# Altium PCB OldBoard.PcbDoc (part 1 of 3) (continued)
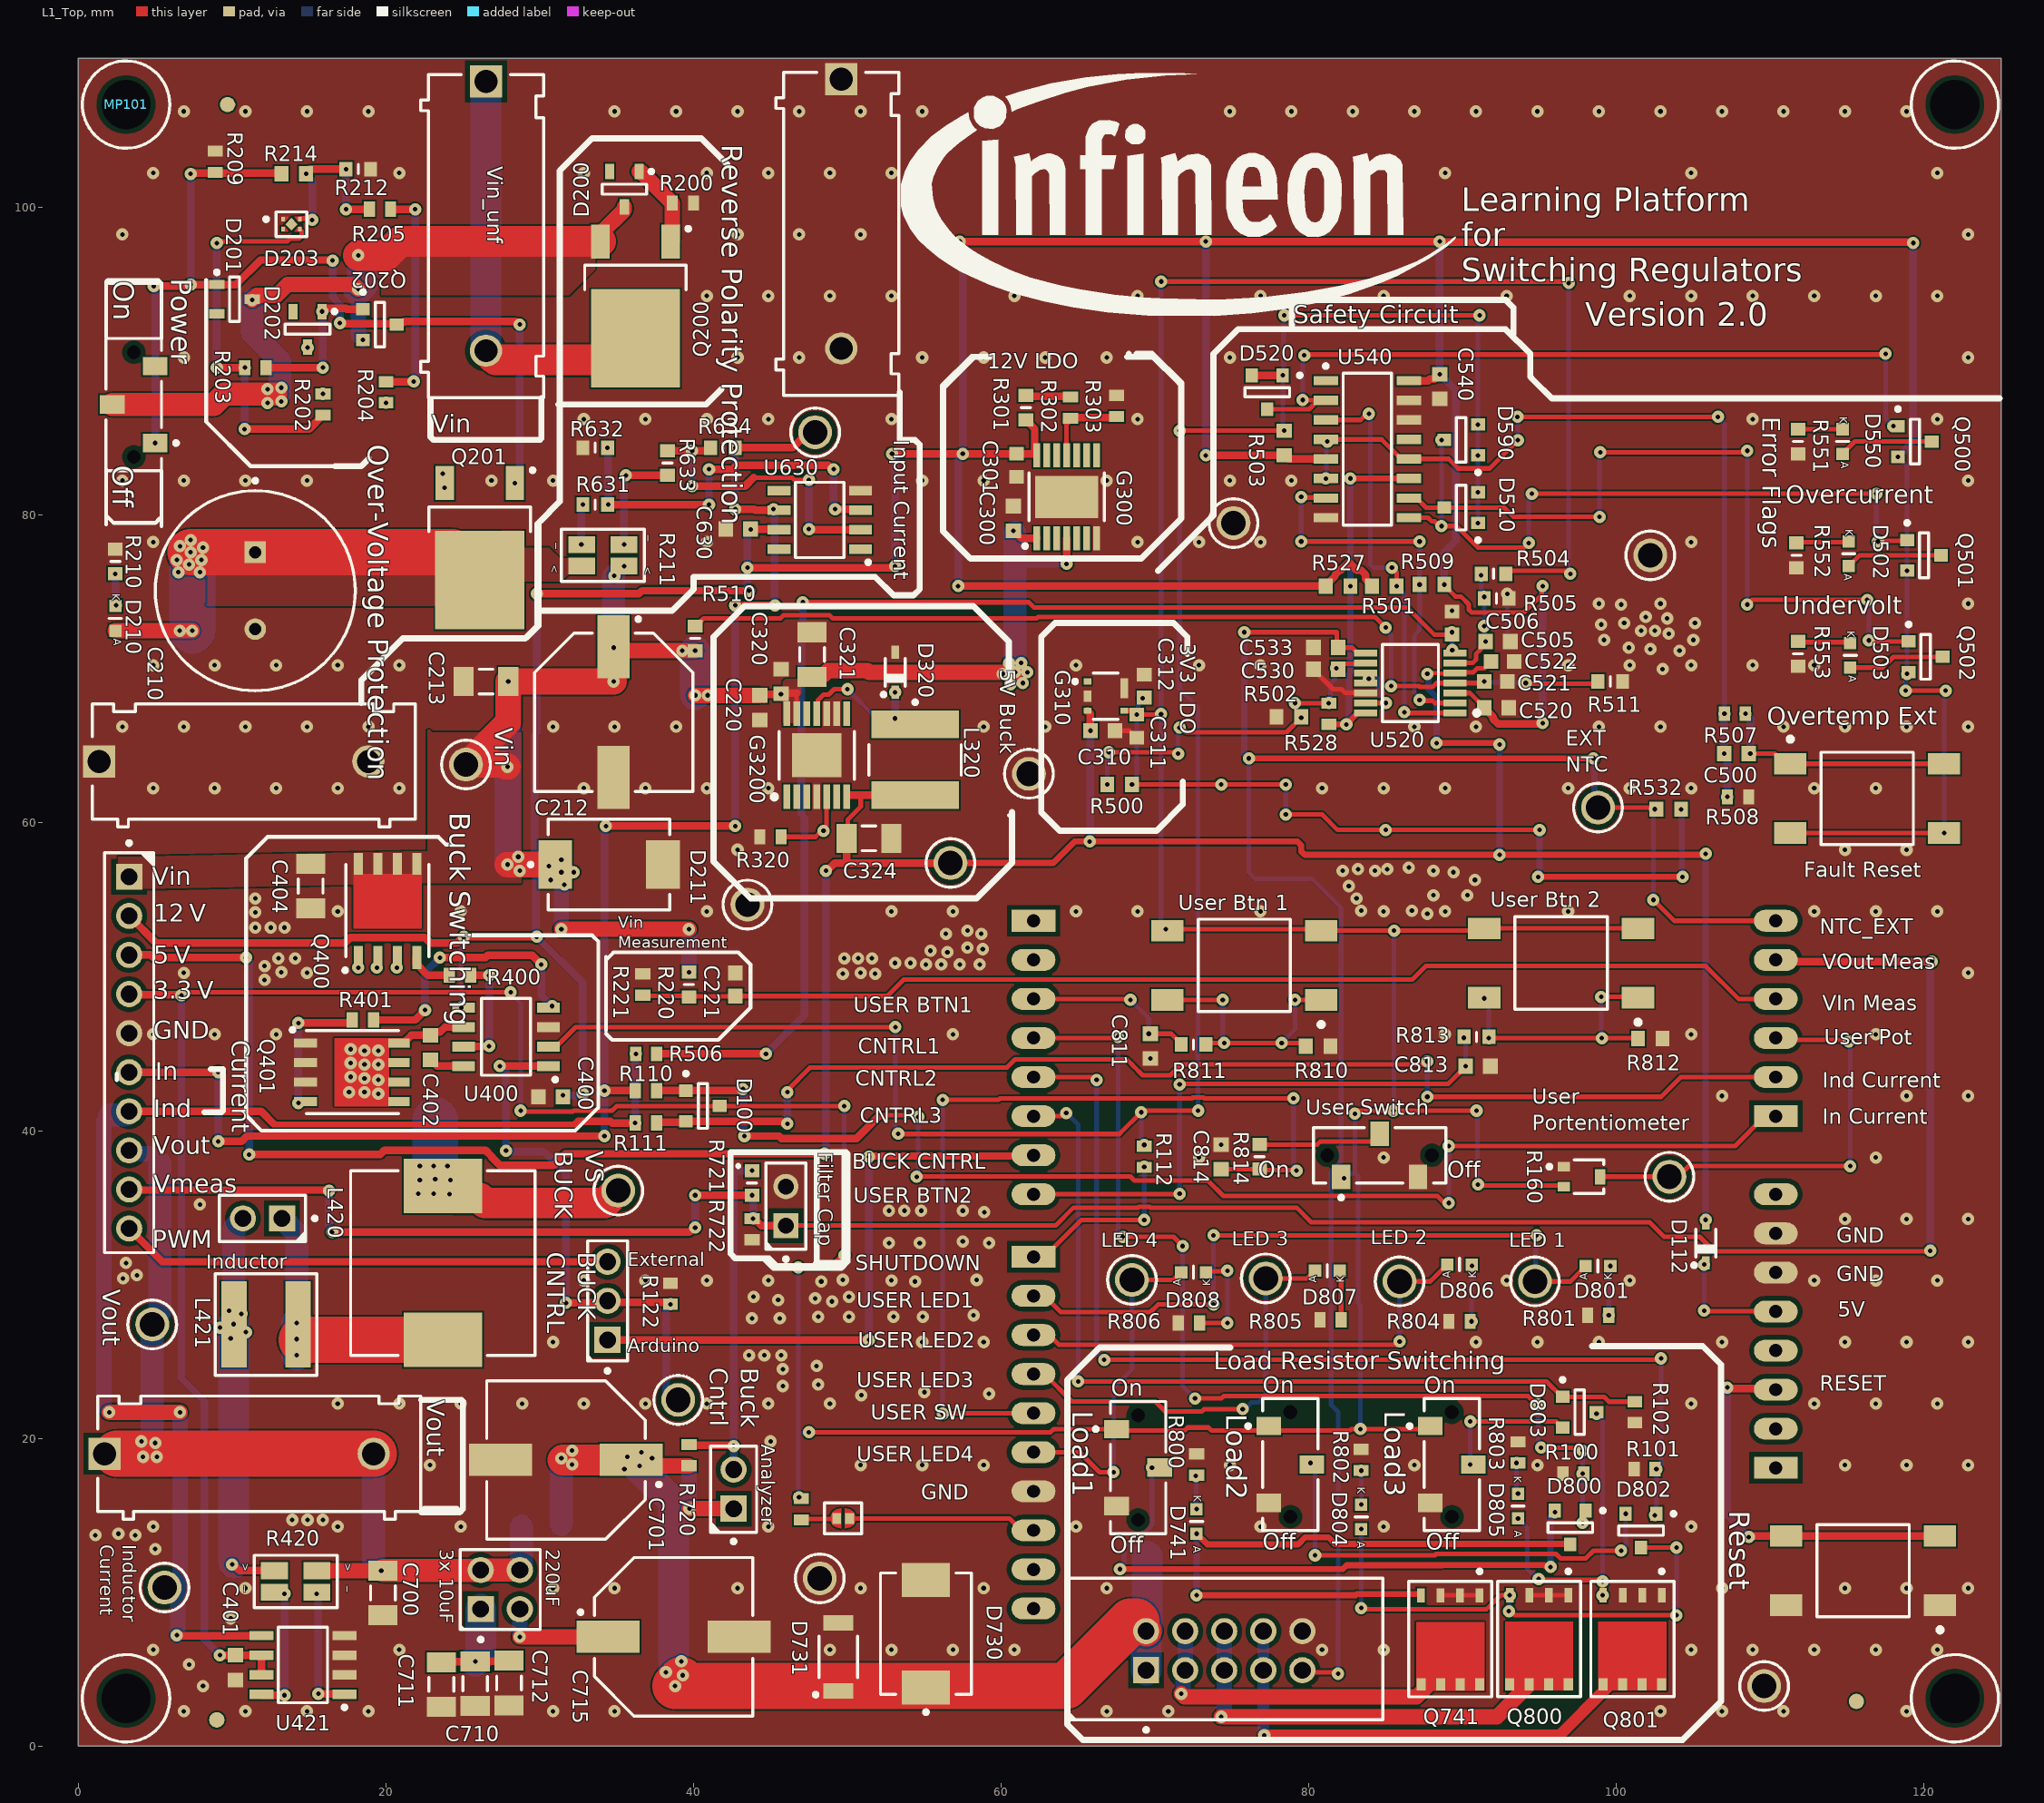
[diagram p0: L1_Top view]
## Classes and differential pairs
component class U_User: C811 C813 C814 D741 D800 D801 D802 D803 D804 D805 D806 D807 D808 Q741 Q800 Q801 R800 R801 R802 R803 R804 R805 R806 R810 R811 R812 R813 R814 S800 S801 S802 S810 S812 S814 X801 X805 X806 X808
component class U_Safety: C500 C505 C506 C520 C521 C522 C530 C533 C540 D502 D503 D510 D520 D550 D590 Q500 Q501 Q502 R500 R501 R502 R503 R504 R505 R506 R507 R508 R509 R510 R511 R527 R528 R532 R551 R552 R553 S560 TP532 U520 U540
component class U_PowerSupply: C300 C301 C310 C311 C312 C320 C321 C324 D320 G300 G310 G3200 L320 R301 R302 R303 R320 TP320
component class U_PowerStage: C400 C401 C402 C404 C700 C701 C710 C711 C712 C715 D730 D731 JP421 JP710 L420 L421 Q401 R400 R401 R420 R720 R721 R722 TP400 TP401 TP431 TP600 U400 U421 X400 X720
component class U_Input: C210 C212 C213 C220 C221 C630 D200 D201 D202 D203 D210 D211 Q200 Q201 Q202 R200 R202 R203 R204 R205 R209 R210 R211 R212 R214 R220 R221 R631 R632 R633 R634 S200 TP211 TP630 U630
component class 02_Top_Level: D100 D112 E100 E101 E102 JP122 MP100 MP101 MP102 MP103 R100 R101 R102 R110 R111 R112 R122 R170 S110 TP100 TP101 TP102 TP103 TP104 TP105 TP160 X101 X102 X103 X105 X110 X140 X150

## Components (designator, comment, footprint, x,y, rotation, side; value= is the part's Value field where it differs from the comment)
C210 "1mF" CAPPRD500W60D1300H2700B 11.5,75.1 r270 top
C212 "220uF" CAPAE1030X1050N-3 34.8,67.2 r270 top
C213 "10uF" CAPC3216X190N-1 26.5,69.2 r0 top
C220 "100nF" CAPC1608X90N-2 44.3,67.5 r270 top
C221 "1nF" CAPC1608X87N-1 42.7,49.5 r270 top
C300 "100nF" CAPC1608X90N-2 60.8,79.8 r270 top
C301 "2.2uF" CAPC1608X90N-3 61,83.25 r90 top
C310 "100nF" CAPC1608X90N-2 66.6,66 r180 top
C311 "2.2uF" CAPC1608X90N-3 68.8,66.3 r90 top
C312 "2.2uF" CAPC1608X90N-3 69.3,68.9 r270 top
C320 "100nF" CAPC1608X90N-2 45.7,69.2 r270 top
C321 "10uF" CAPC3216X190N-1 47.7,70.95 r270 top
C324 "10uF" CAPC3216X190N-1 51.4,59 r180 top
C400 "100nF" CAPC1608X90N-2 30.7,42.2 r0 top
C401 "100nF" CAPC1608X90N-2 10.2,5.1 r90 top
C402 "100nF" CAPC1608X90N-2 22.9,45.4 r270 top
C404 "10uF" CAPC3216X190N-1 15.1,55.9 r90 top
C500 "100nF" CAPC1608X90N-2 107.8,64.5 r180 top
C505 "100nF" CAPC1608X90N-2 92.3,71.8 r180 top
C506 "2.2uF" CAPC1608X90N-3 89.3,73 r270 top
C520 "100nF" CAPC1608X90N-2 92.2,67.5 r0 top
C521 "1nF" CAPC1608X87N-1 92.15,69.2 r180 top
C522 "1nF" CAPC1608X87N-1 92.6,70.5 r180 top
C530 "100nF" CAPC1608X90N-2 81.1,70 r0 top
C533 "100nF" CAPC1608X90N-2 81.1,71.4 r0 top
C540 "100nF" CAPC1608X90N-2 88.5,88.375 r90 top
C630 "100nF" CAPC1608X90N-2 42.9,79.1 r0 top
C700 "10uF" CAPC3216X190N-1 19.8,9.95 r90 top
C701 "220uF" CAPAE1030X1050N-3 31.7,18.6 r180 top
C710 "10uF" CAPC3216X190N-1 25.8,4.05 r90 top
C711 "10uF" CAPC3216X190N-1 23.6,4 r90 top
C712 "10uF" CAPC3216X190N-1 28,4.1 r90 top
C715 "220uF" CAPAE1030X1050N-3 38.7,7.1 r0 top
C811 "100nF" CAPC1608X90N-2 69.7,45.5 r90 top
C813 "100nF" CAPC1608X90N-2 91,44.2 r180 top
C814 "100nF" CAPC1608X90N-2 74.3,38.3 r270 top
D100 "BAT54-05" SOT95P240X110-3N-1-V 40.6,41.6 r0 top
D112 "BAS3010A-03W" SOD2513X110N 105.8,32.7 r90 top
D200 "12V" SOT95P230X110-3N 35.5,101.2 r270 top
D201 "12V" SOT95P230X110-3N 10.15,94.05 r0 top
D202 "12V" SOT95P230X110-3N 14.9,92.1 r270 top
D203 "ATL431LIAQDQNR" TI-SMD-X2SON-V 13.855,98.925 r0 top
D210 "Red" LEDSC160X80X80-2N-1 2.4,73.3 r270 top
D211 "SMDJ20A" DIOM7959X262N 34.5,57.3 r0 top
D320 "BAS3010A-03W" SOD2513X110N 53.1,69.8 r90 top
D502 "Red" LEDSC160X80X80-2N-1 115.1,77.5 r270 top
D503 "Red" LEDSC160X80X80-2N-1 115.2,70.9 r270 top
D510 "BAT54-05" SOT95P240X110-3N-1-V 89.9,80.5 r180 top
D520 "BAT54-05" SOT95P240X110-3N-1-V 77.3,88 r270 top
D550 "Red" LEDSC160X80X80-2N-1 114.7,84.8 r270 top
D590 "BAT54-05" SOT95P240X110-3N-1-V 89.9,84.9 r180 top
D730 "SMC5K40A-M3/I" DIOM7959X262N 55.1,7.3 r90 top
D731 "PMEG6030ETPX" SODFL4725X110N 49.4,5.8 r90 top
D741 "Red" LEDSC160X80X80-2N-1 72.7,14.6 r270 top
D800 "BAT54-05" SOT95P240X110-3N-1-V 97,14.2 r270 top
D801 "Red" LEDSC160X80X80-2N-1 98.8,31.2 r180 top
D802 "BAT54-05" SOT95P240X110-3N-1-V 101.6,14 r270 top
D803 "BAT54-05" SOT95P240X110-3N-1-V 97.6,21.7 r0 top
D804 "Red" LEDSC160X80X80-2N-1 83.4,14.9 r270 top
D805 "Red" LEDSC160X80X80-2N-1 93.6,15.6 r270 top
D806 "Red" LEDSC160X80X80-2N-1 89.8,31.3 r180 top
D807 "Red" LEDSC160X80X80-2N-1 81.2,30.9 r180 top
D808 "Red" LEDSC160X80X80-2N-1 72.5,30.8 r180 top
E100 "" fiducial 9,1.7 r270 top
E101 "" fiducial 115.6,2.9 r0 top
E102 "" fiducial 9.7,106.7 r180 top
G300 "TLT807B0EPV" SOP65P600X115-15N 64.25,81.2 r90 top
G310 "TLE4295G V33" IFX-PG-SCT595-5-2 66.8,68.25 r0 top
G3200 "TLF50211EL" SOP65P600X170-15N 48,64.4 r90 top
JP122 "61300311121" CON-M-THT-61300311121 34.4,28.94 r90 top
JP421 "61300211121" CON-M-THT-61300211121 11.97,34.3 r180 top
JP710 "61300421121" CON-M-THT-61300421121 27.43,10.17 r90 top
L320 "22uH" IND-SMD-74404064220 54.4,64.1 r270 top
L420 "27uH" INDM120120X1000N 23.7,31.4 r270 top
L421 "15uH" IND-SMD-SRP6060FA 12.2,27.4 r180 top
MP100 "0082 3 16" "SCREW_0082 3 16_NPTH" 122,106.7 r180 top
MP101 "0082 3 16" "SCREW_0082 3 16_NPTH" 3.1,106.7 r0 top
MP102 "0082 3 16" "SCREW_0082 3 16_NPTH" 3.1,3.1 r0 top
MP103 "0082 3 16" "SCREW_0082 3 16_NPTH" 122,3.1 r0 top
Q200 "IPD650P06NM" TO228P998X250-3N-V2 36.22,94.65 r270 top
Q201 "IPD650P06NM" TO228P998X250-3N-V2 26.1,78.95 r270 top
Q202 "ISS17EP06LM" SOT95P240X110-3N-1-V 19.6,92.4 r0 top
Q400 "igfet_n_ch_enh_dio_1s2s3s4g5d6d7d8d_8p" INF-PG-PQFN-5X6BEG 20.1,54.3 r90 top value=IRFH5406TRPbF
Q401 "igfet_n_ch_enh_dio_1s2s3s4g5d6d7d8d_8p" INF-PG-PQFN-5X6BEG 17.8,43.8 r0 top value=IRFH5406TRPbF
Q500 "ISS17EP06LM" SOT95P240X110-3N-1-V 119.4,84.8 r0 top
Q501 "ISS17EP06LM" SOT95P240X110-3N-1-V 120,77.4 r0 top
Q502 "ISS17EP06LM" SOT95P240X110-3N-1-V 120.1,70.8 r0 top
Q741 "igfet_n_ch_enh_dio_1s2s3s4g5d6d7d8d_8p" IFX-PG-TDSON-8-6-V 89.2,6.9 r270 top value=BSC0906NS
Q800 "igfet_n_ch_enh_dio_1s2s3s4g5d6d7d8d_8p" IFX-PG-TDSON-8-6-V 94.965,6.906 r270 top value=BSC0906NS
Q801 "igfet_n_ch_enh_dio_1s2s3s4g5d6d7d8d_8p" IFX-PG-TDSON-8-6-V 101.035,6.906 r270 top value=BSC0906NS
R100 "100k" RESC1508X60N 97.2,17.7 r180 top
R101 "100k" RESC1508X60N 101.82,18 r180 top
R102 "100k" RESC1508X60N 101.2,21.7 r270 top
R110 "47k" RESC1609X50N 36.9,42.6 r180 top
R111 "47k" RESC1609X50N 36.9,40.5 r180 top
R112 "47k" RESC1609X50N 69.3,38.3 r270 top
R122 "100k" RESC1508X60N 38.5,29.4 r90 top
R160 "10k" POT-SMD-TC42X-2 97.763,37.009 r0 top
R170 "20R" RESC1609X50N 47,15.39 r90 top
R200 "47k" RESC1609X50N 39.3,100.3 r180 top
R202 "47k" RESC1609X50N 15.9,87.2 r90 top
R203 "47k" RESC1609X50N 11.51,89.6 r180 top
R204 "100k" RESC1508X60N 20,88 r90 top
R205 "47k" RESC1609X50N 19.61,99.9 r0 top
R209 "47k" RESC1609X50N 8.9,102.99 r270 top
R210 "17.8k" RESC1608X60N 2.4,77 r90 top
R211 "15mR" RES-SMD-L4T12 34.1,77.4 r180 top
R212 "17.8k" RESC1608X60N 18.2,102.5 r0 top
R214 "1MEG" RESC1608X55N-0 14,102.2 r180 top
R220 "17.8k" RESC1608X60N 39.7,49.5 r270 top
R221 "2.2k" RESC1609X50N 36.7,49.5 r90 top
R301 "17.8k" RESC1608X60N 61.6,87 r90 top
R302 "2.2k" RESC1609X50N 64.5,87 r90 top
R303 "2.2k" RESC1609X50N 67.5,87.11 r270 top
R320 "47k" RESC1609X50N 45,59.1 r180 top
R400 "20R" RESC1609X50N 24.81,50.1 r0 top
R401 "20R" RESC1609X50N 18.5,47.2 r0 top
R420 "15mR" RES-SMD-L4T12 14.125,10.7 r0 top
R500 "4.7k" RESC1609X55N 67.7,62.5 r0 top
R501 "4.7k" RESC1609X55N 84.9,75.4 r180 top
R502 "4.7k" RESC1609X55N 78.7,66.9 r0 top
R503 "4.7k" RESC1609X55N 78.4,84.7 r270 top
R504 "17.8k" RESC1608X60N 92,76.2 r0 top
R505 "64.9k" RESC1608X60N 92.2,74.6 r180 top
R506 "100k" RESC1508X60N 36.92,45 r0 top
R507 "100k" RESC1508X60N 107.7,67.1 r0 top
R508 "2.2k" RESC1609X50N 107.9,61.7 r0 top
R509 "4.7k" RESC1609X55N 88,75.5 r0 top
R510 "17.8k" RESC1608X60N 40.1,72 r90 top
R511 "17.8k" RESC1608X60N 99.6,69.2 r180 top
R527 "4.7k" RESC1609X55N 81.9,75.4 r180 top
R528 "100k" RESC1609X50N 81.3,67.1 r90 top
R532 "4.7k" RESC1609X55N 103.4,60.9 r0 top
R551 "17.8k" RESC1608X60N 111.8,84.8 r270 top
R552 "17.8k" RESC1608X60N 111.7,77.4 r90 top
R553 "17.8k" RESC1608X60N 111.8,71 r90 top
R631 "1.3k" RESC1608X60N 33.6,80.7 r0 top
R632 "64.9k" RESC1608X60N 33.6,84.4 r180 top
R633 "1.3k" RESC1608X60N 38.3,83.4 r90 top
R634 "64.9k" RESC1608X60N 41.9,84.4 r0 top
R720 "20R" RESC1609X50N 39.7,18.91 r270 top
R721 "17.8k" RESC1608X60N 43.8,36.6 r90 top
R722 "2.2k" RESC1609X50N 43.8,33.6 r270 top
R800 "2.2k" RESC1609X50N 72.7,18.3 r90 top
R801 "2.2k" RESC1609X50N 98.81,28 r180 top
R802 "2.2k" RESC1609X50N 83.4,18.6 r90 top
R803 "2.2k" RESC1609X50N 93.6,19.09 r90 top
R804 "2.2k" RESC1609X50N 89.8,27.6 r180 top
R805 "2.2k" RESC1609X50N 81.41,27.7 r180 top
R806 "2.2k" RESC1609X50N 72.2,27.5 r180 top
R810 "4.7k" RESC1609X55N 80.6,45.5 r0 top
R811 "64.9k" RESC1608X60N 72.5,45.6 r180 top
R812 "4.7k" RESC1609X55N 102.2,46 r0 top
R813 "64.9k" RESC1608X60N 90.9,46.1 r180 top
R814 "17.8k" RESC1608X60N 76.8,38.3 r270 top
S110 "1301.9314" SW-SMD-1301.9314 116.038,11.4 r180 top
S200 "CL-SB-12A-01T" SW-SMD-CL-SB-12A-01T 3.6,87.2 r180 top
S560 "1301.9314" SW-SMD-1301.9314 116.3,61.6 r0 top
S800 "CL-SB-12A-01T" SW-SMD-CL-SB-12A-01T 68.9,18.1 r0 top
S801 "CL-SB-12A-01T" SW-SMD-CL-SB-12A-01T 78.8,18.3 r0 top
S802 "CL-SB-12A-01T" SW-SMD-CL-SB-12A-01T 89.3,18.3 r0 top
S810 "1301.9314" SW-SMD-1301.9314 75.8,50.75 r180 top
S812 "1301.9314" SW-SMD-1301.9314 96.4,50.9 r180 top
S814 "CL-SB-12A-01T" SW-SMD-CL-SB-12A-01T 84.6,38.4 r90 top
TP100 "5011" CON-THT-TP-5011 61.8,63.2 r90 top
TP101 "5011" CON-THT-TP-5011 75.1,79.5 r180 top
TP102 "5011" CON-THT-TP-5011 102.2,77.4 r0 top
TP103 "5011" CON-THT-TP-5011 43.5,54.7 r270 top
TP104 "5011" CON-THT-TP-5011 48.2,10.9 r270 top
TP105 "5011" CON-THT-TP-5011 109.6,3.9 r270 top
TP160 "5010" CON-THT-TP-5010 103.442,37.009 r180 top
TP211 "5010" CON-THT-TP-5010 25.2,63.8 r270 top
TP320 "5010" CON-THT-TP-5010 56.7,57.4 r90 top
TP400 "5010" CON-THT-TP-5010 39,22.5 r180 top
TP401 "5010" CON-THT-TP-5010 35.1,36.1 r0 top
TP431 "5010" CON-THT-TP-5010 4.8,27.4 r0 top
TP532 "5010" CON-THT-TP-5010 98.8,61 r90 top
TP600 "5010" CON-THT-TP-5010 5.6,10.3 r180 top
TP630 "5010" CON-THT-TP-5010 47.9,85.4 r90 top
U400 "Value" SOIC127P600X172-8N-1-V 27.8,46.1 r180 top value=2ED2184S06F
U421 "TSC2010HYDT" SOIC127P600X175-8N-16 14.6,5.265 r180 top
U520 "LM339PWR" SOP65P640X120-14N-1 86.6,69.1 r180 top
U540 "HEF4043BT,653" SOIC127P600X175-16N-6 83.8,84.3 r0 top
U630 "OPA197IDR" SOIC127P600X175-8N-23 48.2,79.7 r180 top
Vin_unf "973 582-101" "CON-THT-973 582- 101" 26.5,99.45 r270 top (schematic designator X100)
X101 "973 582-100" "CON-THT-973 582- 100" 49.6,99.6 r270 top
X102 "973 582-101" "CON-THT-973 582- 101" 10.45,19 r0 top
X103 "973 582-100" "CON-THT-973 582- 100" 10.1,64 r0 top
X105 "Solder Jumper 2 Pins" SOLDER_BRIDGE_0.7X1.299PAD 49.717,14.8 r180 top
X110 "Arduino-Uno" Arduino-Uno 86.23,31.292 r90 bottom locked
X140 "TSW-110-07-L-S" CON-M-THT-TSW-110-07-L-S 3.3,45.07 r270 top
X150 "61201021621" CON-M-THT-61201021621 74.5,6.2 r90 top
X400 "SSW-102-01-G-S" CON-F-THT-SSW-102-01-G-S 46,35.1 r90 top
X720 "61300211121" CON-M-THT-61300211121 42.6,16.7 r90 top
X801 "5010" CON-THT-TP-5010 94.7,30.2 r0 top
X805 "5010" CON-THT-TP-5010 77.2,30.4 r0 top
X806 "5010" CON-THT-TP-5010 85.9,30.2 r0 top
X808 "5010" CON-THT-TP-5010 68.5,30.3 r0 top

## Footprints (in the part's own frame and the unit in brackets; to place one, negate y for a bottom-side part, rotate by r counter-clockwise, add the part's x,y. Pads: shape width x height; smd on the part's side, far side on the other; paste and mask are expansions set on the pad)
Arduino-Uno [mm] "Arduino-Uno, THT, 32 Pin, 68.58 mm L X 53.34 mm W X 8.64 mm H body"
  rect 1.422x2.845 hole 0.85 paste+0 mask+0: 1A(-13.208,24.13) 1B(9.652,24.13) 1C(0.508,-24.13) 1D(22.352,-24.13)
  oval 1.422x2.845 hole 0.85 paste+0 mask+0: 2A(-10.668,24.13) 2B(12.192,24.13) 2C(-2.032,-24.13) 2D(19.812,-24.13) 3A(-8.128,24.13) 3B(14.732,24.13) 3C(-4.572,-24.13) 3D(17.272,-24.13) 4A(-5.588,24.13) 4B(17.272,24.13) 4C(-7.112,-24.13) 4D(14.732,-24.13) 5A(-3.048,24.13) 5B(19.812,24.13) 5C(-9.652,-24.13) 5D(12.192,-24.13) 6A(-0.508,24.13) 6B(22.352,24.13) 6C(-12.192,-24.13) 6D(9.652,-24.13) 7A(2.032,24.13) 7C(-14.732,-24.13) 7D(7.112,-24.13) 8A(4.572,24.13) 8C(-17.272,-24.13) 8D(4.572,-24.13) 9C(-19.812,-24.13) 10C(-22.352,-24.13)
CAPAE1030X1050N-3 [mm] "Capacitor,Aluminum Electrolytic;10.30mm L X 10.30mm W X 10.50mm H"
  rect 4.1x2.1 smd paste+0 mask+0: 1(-4.25,0) 2(4.25,0)
  silkscreen extent -6.17,-5.15 5.15,5.15, body extent -5.5,-5.15 5.5,5.15, height 10.5
CAPC1608X87N-1 [mm] "Capacitor,non-polarized,Chip;1.60mm L X 0.80mm W X 0.87mm H"
  rect 0.95x0.95 smd paste+0 mask+0: 1(-0.75,0) 2(0.75,0)
  body extent -0.8,-0.4 0.8,0.4, height 0.87
CAPC1608X90N-2 [mm] "Capacitor,non-polarized,Chip;1.60mm L X 0.81mm W X 0.90mm H"
  rect 0.95x1 smd paste+0 mask+0: 1(-0.8,0) 2(0.8,0)
  body extent -0.8,-0.41 0.8,0.41, height 0.9
CAPC1608X90N-3 [mm] "Capacitor,non-polarized,Chip;1.60mm L X 0.80mm W X 0.9mm H"
  rect 0.9x0.95 smd paste+0 mask+0: 1(-0.75,0) 2(0.75,0)
  body extent -0.8,-0.4 0.8,0.4, height 0.9
CAPC3216X190N-1 [mm] "Capacitor,non-polarized,Chip;3.20mm L X 1.60mm W X 1.90mm H"
  rect 1.3x1.9 smd paste+0 mask+0: 1(-1.45,0) 2(1.45,0)
  silkscreen extent -0.45,-0.8 0.45,0.8, body extent -1.6,-0.8 1.6,0.8, height 1.9
CAPPRD500W60D1300H2700B [mm] "Capacitor,polarized,Radial;5.00mm C X 0.60mm W 13.00mm Dia X 27.00mm H"
  rect 1.4x1.4 hole 0.8 mask+0: 1(-2.5,0)
  round 1.4 hole 0.8 mask+0: 2(2.5,0)
  silkscreen extent -7.27,-6.5 6.5,6.5, body extent -6.75,-6.75 6.75,6.75, height 27
CON-F-THT-SSW-102-01-G-S [mm] "Header, THT, 2.54mm pitch, 2 pin, 5.59mm L X 2.41mm W X 8.64mm H body"
  rect 1.64x1.64 hole 1.04 paste+0 mask+0: 1(-1.27,0)
  round 1.64 hole 1.04 paste+0 mask+0: 2(1.27,0)
  silkscreen extent -3.57,-1.3 2.8,1.3, body extent -2.79,-1.21 2.79,1.21, height 8.51
CON-M-THT-61201021621 [mm] "Connector, THT, 2.54mm Pitch; 10 Pins, 9.10 mm L X 20.36 mm W X 9.25 mm H body"
  rect 1.7x1.7 hole 1.1 paste+0 mask+0: 1(-1.27,5.08)
  round 1.7 hole 1.1 paste+0 mask+0: 2(1.27,5.08) 3(-1.27,2.54) 4(1.27,2.54) 5(-1.27,0) 6(1.27,0) 7(-1.27,-2.54) 8(1.27,-2.54) 9(-1.27,-5.08) 10(1.27,-5.08)
  silkscreen extent -5.27,-10.3 4.7,10.3, body extent -4.46,-10.18 4.71,10.18, height 9.1
CON-M-THT-61300211121 [mm] "Header, Vertical, 2.54mm Pitch; 2 Pins, Single row, 5.08mm L X 2.54mm W X 8.89mm H body"
  rect 1.7x1.7 hole 1.1 paste+0 mask+0: 1(-1.27,0)
  round 1.7 hole 1.1 paste+0 mask+0: 2(1.27,0)
  silkscreen extent -3.53,-1.5 2.8,1.5, body extent -2.54,-1.27 2.54,1.27, height 8.54
CON-M-THT-61300311121 [mm] "Connector, THT; 2.54mm pitch, 7.62 mm L X 2.54 mm X 8.89 mm H body"
  rect 1.7x1.7 hole 1.1 paste+0 mask+0: 1(-2.54,0)
  round 1.7 hole 1.1 paste+0 mask+0: 2(0,0) 3(2.54,0)
  silkscreen extent -4.67,-1.3 3.9,1.3, body extent -3.81,-1.27 3.81,1.27, height 8.54
CON-M-THT-61300421121 [mm] "Connector, THT, 2.54mm pitch, 4 pins,5.08mm L X 5.08mm W X 8.89mm H body"
  rect 1.7x1.7 hole 1.1 paste+0 mask+0: 1(-1.27,1.27)
  round 1.7 hole 1.1 paste+0 mask+0: 2(1.27,1.27) 3(-1.27,-1.27) 4(1.27,-1.27)
  silkscreen extent -3.37,-2.6 2.6,2.6, body extent -2.54,-2.54 2.54,2.54, height 8.54
CON-M-THT-TSW-110-07-L-S [mm] "Header,vertical,2.54mm pitch;0.64mm lead width,10 pins,1 row,10 pins per row,25.40mm L X 2.54mm W X 8.636mm H body"
  rect 1.7x1.7 hole 1.1 paste+0 mask+0: 1(-11.43,0)
  round 1.7 hole 1.1 paste+0 mask+0: 2(-8.89,0) 3(-6.35,0) 4(-3.81,0) 5(-1.27,0) 6(1.27,0) 7(3.81,0) 8(6.35,0) 9(8.89,0) 10(11.43,0)
  silkscreen extent -13.75,-1.6 13,1.6, body extent -12.83,-1.27 12.7,1.27, height 8.38
"CON-THT-973 582- 100" [mm] "Banana Jack, 2 pins, 17.5mm Pitch, 21mm L X 7.5mm W X 10.5mm H body"
  rect 2.1x2.1 hole 1.5 paste+0 mask+0: 1(-8.75,0)
  round 2.1 hole 1.5 paste+0 mask+0: 2(8.75,0)
  silkscreen extent -9.2,-4.25 11.8,3.75, body extent -9.2,-4.25 11.8,3.75, height 10.5
"CON-THT-973 582- 101" [mm] "Banana Jack, 2 pins, 17.5mm Pitch, 21mm L X 7.5mm W X 10.5mm H body"
  rect 2.1x2.1 hole 1.5 paste+0 mask+0: 1(-8.75,0)
  round 2.1 hole 1.5 paste+0 mask+0: 2(8.75,0)
  silkscreen extent -9.2,-4.25 11.8,3.75, body extent -9.2,-4.25 11.8,3.75, height 10.5
CON-THT-TP-5010 [mm] "Test Point, 1.78 mm Lead Width, Round, 3.17 mm Dia X 8.28 mm H body"
  round 2.2 hole 1.6 paste+0 mask+0: 1(0,0)
  silkscreen extent -1.59,-1.58 1.59,1.58, body extent -1.59,-1.59 1.59,1.59, height 8.13
CON-THT-TP-5011 [mm] "Test Point, 1.78 mm Lead Width, Round, 3.17 mm Dia X 8.28 mm H body"
  round 2.2 hole 1.6 paste+0 mask+0: 1(0,0)
  silkscreen extent -1.58,-1.59 1.58,1.59, body extent -1.59,-1.59 1.59,1.59, height 8.13
DIOM7959X262N [mm] "Diode,Molded Body;7.94mm L X 5.905mm W X 2.62mm H"
  rect 2.2x3.15 smd paste+0 mask+0: 1(-3.5,0) 2(3.5,0)
  silkscreen extent -5.22,-2.95 3.95,2.95, body extent -3.97,-2.95 3.97,2.95, height 2.62
fiducial [mm] "Fiducial Marker For PCB, 1mm"
  round 1 smd paste-0.5 mask+1: 1(0,0)
IFX-PG-SCT595-5-2 [mm] "PG-SCT595-5-2; 5 pin, 1.60 mm L X 2.90 mm W X 1.1 mm H body"
  rect 0.5x0.4 smd paste+0 mask+0: 1(-1.2,0.95) 3(-1.2,-0.95) 4(1.2,-0.95)
  rect 0.5x0.75 smd paste+0 mask+0: 2(-1.2,0)
  rect 0.5x1.3 smd paste+0 mask+0: 5(1.2,0.5)
  silkscreen extent -2.12,-1.5 0.8,1.5, body extent -1.25,-1.45 1.25,1.45, height 1.11
IFX-PG-TDSON-8-6-V [mm] "PG-TDSON-8-6, SMD, 1.27 mm pitch, 8 pin, 5.90 mm W X 5.075 mm L X 1.20 mm H body"
  rect 0.925x0.5 smd paste-0.05 mask+0: 1(-2.894,1.905) 2(-2.894,0.635) 3(-2.894,-0.635) 4(-2.894,-1.905)
  rect 0.8x0.6 smd paste-0.3 mask-0.3: 5(2.894,-1.905) 6(2.894,-0.635) 7(2.894,0.635) 8(2.894,1.905)
  L1_Top region: -1.161,2.205 3.294,2.205 3.294,-2.205 -1.161,-2.205
  silkscreen extent -4.57,-2.7 3.7,2.7, body extent -3.11,-2.69 3.04,2.7, height 1.01
IND-SMD-74404064220 [mm] "Inductor; 2 pin, 6.00 mm L X 6.00 mm W X 4.50 mm H Body"
  rect 1.8x5.7 smd mask+0: 1(-2.3,0) 2(2.3,0)
  silkscreen extent -3.87,-3 1,3, body extent -3,-3 3,3, height 4.5
IND-SMD-SRP6060FA [mm] "Inductor, SMD, 2 pin, 6.40 mm L X 6.60 mm W X 6.00 mm H body"
  rect 1.65x5.6 smd paste+0 mask+0: 1(-2.075,0) 2(2.075,0)
  silkscreen extent -3.3,-3.3 3.3,3.3, body extent -3.2,-3.3 3.2,3.3, height 5.86
INDM120120X1000N [mm] "Inductor,Molded Body;12.00mm L X 12.00mm W X 10.00mm H"
  rect 3.55x5.1 smd paste+0 mask+0: 1(-5,0) 2(5,0)
  silkscreen extent -6,-6 6,6, body extent -6,-6 6,6, height 10.36
INF-PG-PQFN-5X6BEG [mm] "Pullback Quad Flat No-Lead (PQFN); 4 pin, 6.00 mm L X 5.00 mm W X 0.90 mm H body"
  rect 1.5x0.6 smd paste-0.3 mask+0: 1(-3.045,1.905) 2(-3.045,0.635) 3(-3.045,-0.635) 4(-3.045,-1.905)
  rect 1.4x0.6 smd paste-0.3 mask+0: 5(3.045,-1.905) 6(3.045,-0.635) 7(3.045,0.635)
  rect 1.4x0.6 smd paste-0.3 mask-0.3: 8(3.045,1.905)
  L1_Top region: 3.745,2.205 -1.15,2.205 -1.15,-2.205 2.395,-2.205 2.395,1.605 3.745,1.605
  silkscreen extent -4,-2.7 3.01,2.88, body extent -3.03,-2.5 2.97,2.5, height 0.9
LEDSC160X80X80-2N-1 [mm] "LED,Side Concave; 2 pin,1.60mm W X 0.80mm L X 0.80mm H"
  rect 0.8x0.8 smd paste+0 mask+0: 1(-0.8,0) 2(0.8,0)
  silkscreen extent 0,-0.4 0,0.4, body extent -0.8,-0.4 0.8,0.4, height 0.7
POT-SMD-TC42X-2 [mm] "Potentiometer, SMD, 3 pin, 2.60 mm L X 2.20 mm W X 0.90 mm H Body"
  rect 0.8x0.6 smd paste+0 mask+0: 1(-1.175,0.65) 3(-1.175,-0.65)
  rect 0.7x1 smd paste+0 mask+0: 2(1.175,0)
  silkscreen extent -2.25,-1.1 1.4,1.1, body extent -1.47,-1.11 1.37,1.1, height 0.79
RES-SMD-L4T12 [mm] "Resistor, SMD, 4 pin, 3.00 mm L X 1.60 mm W X 0.65 mm H body"
  rect 1.75x1.1 smd paste+0 mask+0: 1(-1.375,0.7) 2(1.375,0.7) 3(-1.375,-0.7) 4(1.375,-0.7)
  silkscreen extent -2.7,-1.7 2.7,1.7, body extent -1.5,-0.8 1.5,0.8, height 0.65
RESC1508X60N [mm] "Resistor,Chip;1.55mm L X 0.80mm W X 0.60mm H"
  rect 0.73x0.94 smd paste+0 mask+0: 1(-0.68,0) 2(0.68,0)
  body extent -0.77,-0.4 0.78,0.4, height 0.6
RESC1608X55N-0 [mm] "Resistor,Chip;1.60mm L X 0.825mm W X 0.55mm H"
  rect 0.9x1 smd paste+0 mask+0: 1(-0.8,0) 2(0.8,0)
  body extent -0.8,-0.4 0.8,0.4, height 0.55
RESC1608X60N [mm] "Resistor,Chip;1.60mm L X 0.80mm W X 0.60mm H"
  rect 0.85x0.95 smd paste+0 mask+0: 1(-0.8,0) 2(0.8,0)
  silkscreen extent 0,-0.3 0,0.3, body extent -0.8,-0.4 0.8,0.4, height 0.6
RESC1609X50N [mm] "Resistor,Chip;1.575mm L X 0.85mm W X 0.50mm H"
  rect 0.72x0.99 smd paste+0 mask+0: 1(-0.69,0) 2(0.69,0)
  body extent -0.79,-0.42 0.79,0.42, height 0.5
RESC1609X55N [mm] "Resistor,Chip;1.60mm L X 0.85mm W X 0.55mm H"
  rect 0.9x1 smd paste+0 mask+0: 1(-0.8,0) 2(0.8,0)
  body extent -0.8,-0.4 0.8,0.4, height 0.55
"SCREW_0082 3 16_NPTH" [mm] "M3 Cheese Head Screw X 5.68mm Head"
  round 0 hole 3.2 unplated paste+0 mask+0: ""(0,0)
  silkscreen extent -2.84,-2.84 2.84,2.84, body extent -2.84,-2.84 2.84,2.84, height 3
SOD2513X110N [mm] "SOD;1.75mm W X 1.30mm L X 1.10mm H body"
  rect 0.85x0.5 smd paste+0 mask+0: 1(-1.3,0) 2(1.3,0)
  silkscreen extent -1.57,-0.65 0.9,0.87, body extent -0.87,-0.65 0.87,0.65, height 1.1
SODFL4725X110N [mm] "SODFL Diode;3.80mm W X 2.5mm L X 1.10mm H body"
  rect 1x1.93 smd paste+0 mask+0: 1(-2.21,0) 2(2.21,0)
  silkscreen extent -2.58,-1.25 1.35,1.59, body extent -2.35,-1.25 2.35,1.25, height 1.1
SOIC127P600X172-8N-1-V [mm] "SOIC,1.27mm pitch;8 pin,3.90mm W X 4.90mm L X 1.72mm H body"
  rect 1.47x0.65 smd paste+0 mask+0: 1(-2.765,1.905) 2(-2.765,0.635) 3(-2.765,-0.635) 4(-2.765,-1.905) 5(2.765,-1.905) 6(2.765,-0.635) 7(2.765,0.635) 8(2.765,1.905)
  silkscreen extent -3.32,-2.5 1.6,2.9, body extent -3,-2.45 3,2.45, height 1.73
SOIC127P600X175-8N-16 [mm] "SOIC,1.27mm pitch;8 pin,3.90mm W X 4.90mm L X 1.75mm H body"
  rect 1.55x0.6 smd paste+0 mask+0: 1(-2.7,1.905) 2(-2.7,0.635) 3(-2.7,-0.635) 4(-2.7,-1.905) 5(2.7,-1.905) 6(2.7,-0.635) 7(2.7,0.635) 8(2.7,1.905)
  silkscreen extent -2.83,-2.45 1.6,2.87, body extent -3,-2.45 3,2.45, height 1.75
SOIC127P600X175-8N-23 [mm] "SOIC,1.27mm pitch;8 pin,3.895mm W X 4.905mm L X 1.75mm H body"
  rect 1.5x0.6 smd paste+0 mask+0: 1(-2.65,1.905) 2(-2.65,0.635) 3(-2.65,-0.635) 4(-2.65,-1.905) 5(2.65,-1.905) 6(2.65,-0.635) 7(2.65,0.635) 8(2.65,1.905)
  silkscreen extent -3.27,-2.45 1.58,2.87, body extent -2.99,-2.45 2.99,2.45, height 1.75
SOIC127P600X175-16N-6 [mm] "SOIC,1.27mm pitch;16 pin,3.90mm W X 9.90mm L X 1.75mm H body"
  rect 1.6x0.6 smd paste+0 mask+0: 1(-2.7,4.445) 2(-2.7,3.175) 3(-2.7,1.905) 4(-2.7,0.635) 5(-2.7,-0.635) 6(-2.7,-1.905) 7(-2.7,-3.175) 8(-2.7,-4.445) 9(2.7,-4.445) 10(2.7,-3.175) 11(2.7,-1.905) 12(2.7,-0.635) 13(2.7,0.635) 14(2.7,1.905) 15(2.7,3.175) 16(2.7,4.445)
  silkscreen extent -2.82,-4.95 1.57,5.52, body extent -3,-4.95 3,4.95, height 1.75
SOLDER_BRIDGE_0.7X1.299PAD [mm] "Solder Bridge 2 Pins, 0.7X1.299mm Pad, 1.6mm L X 1.2mm W body"
  rect 0.58x0.708 smd paste-0.29 mask-0.29: 1(-0.417,0) 2(0.417,0)
  L1_Top region: 0.126,0.639 0.178,0.65 0.426,0.6 0.637,0.459 0.778,0.249 0.827,0 0.778,-0.249 0.637,-0.459 0.426,-0.6 0.178,-0.65 0.127,-0.639 0.127,-0.635 0.127,0.635
  L1_Top region: -0.126,0.639 -0.178,0.65 -0.426,0.6 -0.637,0.459 -0.778,0.249 -0.827,0 -0.778,-0.249 -0.637,-0.459 -0.426,-0.6 -0.178,-0.65 -0.127,-0.639 -0.127,-0.635 -0.127,0.635
  silkscreen extent -1.2,-1.02 1.2,1
SOP65P600X115-15N [mm] "SOP,0.65mm pitch;14 pin,3.90mm W X 4.90mm L X 1.15mm H body (w/thermal tab)"
  rect 1.55x0.45 smd paste+0 mask+0: 1(-2.7,1.95) 2(-2.7,1.3) 3(-2.7,0.65) 4(-2.7,0) 5(-2.7,-0.65) 6(-2.7,-1.3) 7(-2.7,-1.95) 8(2.7,-1.95) 9(2.7,-1.3) 10(2.7,-0.65) 11(2.7,0) 12(2.7,0.65) 13(2.7,1.3) 14(2.7,1.95)
  rect 2.75x4.1 smd paste+0 mask+0: 15(0,0)
  silkscreen extent -3.32,-2.45 1.55,2.82, body extent -3,-2.45 3,2.45, height 1.16
SOP65P600X170-15N [mm] "SOP,0.65mm pitch;14 pin,3.90mm W X 4.90mm L X 1.70mm H body (w/thermal tab)"
  rect 1.6x0.45 smd paste+0 mask+0: 1(-2.7,1.95) 2(-2.7,1.3) 3(-2.7,0.65) 4(-2.7,0) 5(-2.7,-0.65) 6(-2.7,-1.3) 7(-2.7,-1.95) 8(2.7,-1.95) 9(2.7,-1.3) 10(2.7,-0.65) 11(2.7,0) 12(2.7,0.65) 13(2.7,1.3) 14(2.7,1.95)
  rect 2.85x3.2 smd paste+0 mask+0: 15(0,0)
  silkscreen extent -2.85,-2.45 1.55,2.9, body extent -3,-2.45 3,2.45, height 1.71
SOP65P640X120-14N-1 [mm] "SOP,0.65mm pitch;14 pin,4.40mm W X 5.00mm L X 1.20mm H body"
  rect 1.5x0.45 smd paste+0 mask+0: 1(-2.9,1.95) 2(-2.9,1.3) 3(-2.9,0.65) 4(-2.9,0) 5(-2.9,-0.65) 6(-2.9,-1.3) 7(-2.9,-1.95) 8(2.9,-1.95) 9(2.9,-1.3) 10(2.9,-0.65) 11(2.9,0) 12(2.9,0.65) 13(2.9,1.3) 14(2.9,1.95)
  silkscreen extent -4.47,-2.5 1.83,2.5, body extent -3.05,-2.5 3.05,2.5, height 1.21
SOT95P230X110-3N [mm] "SOT,0.95mm pitch;3 pin,1.30mm W X 2.90mm L X 1.10mm H body"
  rect 1x0.6 smd paste+0 mask+0: 1(-1.15,0.95) 2(-1.15,-0.95) 3(1.15,0)
  silkscreen extent -1.27,-1.45 0.33,1.88, body extent -1.15,-1.45 1.15,1.45, height 1.11
SOT95P240X110-3N-1-V [mm] "SOT,0.95mm pitch;3 pin,1.30mm W X 2.90mm L X 1.10mm H body"
  rect 0.9x0.8 smd paste+0 mask+0: 1(-1.1,1) 2(-1.1,-1) 3(1.1,0)
  silkscreen extent -1.22,-1.45 0.3,2.23, body extent -1.21,-1.45 1.19,1.45, height 1.1
SW-SMD-1301.9314 [mm] "SMD Switch , 6.00mm L X 6.00mm W X 4.3mm H body"
  rect 2.1x1.4 smd paste+0 mask+0: 1(-5,2.25) 2(5,2.25) 3(-5,-2.25) 4(5,-2.25)
  silkscreen extent -5.15,-3 3,4, body extent -5,-3 5,3, height 4.3
SW-SMD-CL-SB-12A-01T [mm] "Switch, SMD, 3 Pins, 3.50 mm W X 8.50 mm L X 6.10 mm H body"
  rect 1.6x1.2 smd paste+0 mask+0: 1(-1.4,2.5) 2(1.4,0) 3(-1.4,-2.5)
  round 0 hole 0.9 unplated paste+0 mask+0: ""(0,3.4) ""(0,-3.4)
  silkscreen extent -2.88,-4.3 1.8,4.3, body extent -1.75,-4.25 1.75,4.25, height 5.5
TI-SMD-X2SON-V [mm] "X2SON, SMD, 5 pin, 1.00 mm L X 1.00 mm W X 0.40 mm H body"
  rect 0.23x0.31 smd paste-0.115 mask-0.115: 1(-0.545,0.325) 2(-0.545,-0.325) 3(0.545,-0.325) 4(0.545,0.325)
  rect 0.58x0.58 smd rot 45 paste-0.065 mask-0.05: 5(0,0)
  L1_Top region: -0.2,0.48 -0.66,0.48 -0.66,0.17 -0.43,0.17 -0.2,0.45
  L1_Top region: 0.2,0.48 0.66,0.48 0.66,0.17 0.43,0.17 0.2,0.45
  L1_Top region: -0.2,-0.48 -0.66,-0.48 -0.66,-0.17 -0.43,-0.17 -0.2,-0.45
  L1_Top region: 0.2,-0.48 0.66,-0.48 0.66,-0.17 0.43,-0.17 0.2,-0.45
  silkscreen extent -1.77,-0.8 1,0.8, body extent -0.5,-0.5 0.5,0.5, height 0.34
TO228P998X250-3N-V2 [mm] "TO,2.28mm pitch;2 pin,9.98mm L X 6.50mm W X 2.50mm H body"
  rect 2.2x1.2 smd paste-0.05 mask+0: 1(-3.15,2.28) 3(-3.15,-2.28)
  rect 6.4x5.8 smd paste-2.9 mask+0: 2(3.15,0)
  silkscreen extent -4.11,-3.3 0,3.56, body extent -3.94,-3.25 6.04,3.25, height 2.36

## Part data
C210: library part 646789, "CAP / ELCO / 1mF / 35V / 20% / Aluminiumelectrolytic / -40°C to 105°C / 5.00mm C X 0.60mm W 13.00mm Dia X 27.00mm H / - / -", Manufacturer=Kemet, Package Description="Capacitor,polarized,Radial;5.00mm C X 0.60mm W 13.00mm Dia X 27.00mm H", Supplier Part Number 1=2835188, Temperature max=105, Temperature min=-40, Temperature Range=Industrial, Tolerance Neg=20%, Voltage DC (max)=35V, Alternate View=Yes, Application=Standard, Article Number=646789, Automotive Qualified=No, Combined Parameters=TC:Aluminiumelectrolytic;Tol.:-20%/+20%;Vdc:35V, ComponentLink1Description="Vendor WebSite", ComponentLink1URL=http://www.kemet.com, ComponentLink2Description=Datasheet, ComponentLink2URL=http://webnetprod.muc.infineon.com/PCBPortal_Prod/WorkFlows/AltiumComponent/StandardDocumentation?Versionid=646790, ComponentStatus=Released, Manufacturer Order Number=ESY108M035AL4AA, Multible Parts=No, PackageReference=Radial, Part Type=Capacitor, PLMStatus=Active, QuickPick="1mF / 35V / 20% / Aluminiumelectrolytic / Radial", RoHS Compliant=Y, Second Source allowed=Yes, Style=Single, Supplier 1=Farnell, Supplier 2=DigiKey, Supplier 3=Mouser, Supplier Part Number 2=399-6120-ND, Supplier Part Number 3=80-ESY108M035AL4AA, Symbol Type="Capacitor; Single; Polarized; 2 Pins; Pin 1 Positive", Technology=Electrolytic, Tolerance Pos=20%, Type=Polarized, Version Number=V01
C212 C701 C715: library part 699376, "CAP / ELCO / 220uF / 50V / 20% / Aluminiumelectrolytic / -55°C to 105°C / 10.30mm L X 10.30mm W X 10.50mm H / - / -", Manufacturer="Nippon Chemi-Con", Package Description="Capacitor,Aluminum Electrolytic;10.30mm L X 10.30mm W X 10.50mm H", Temperature max=105, Temperature min=-55, Temperature Range=Military, Tolerance Neg=20%, Voltage DC (max)=50V, Alternate View=Yes, Application=Standard, Article Number=699376, Automotive Qualified="AEC Q200", Combined Parameters=TC:Aluminiumelectrolytic;Tol.:-20%/+20%;Vdc:50V, ComponentLink1Description="Vendor WebSite", ComponentLink1URL=http://www.chemi-con.co.jp/e/, ComponentLink2Description=Datasheet, ComponentLink2URL=http://webnetprod.muc.infineon.com/PCBPortal_Prod/WorkFlows/AltiumComponent/StandardDocumentation?Versionid=699377, ComponentStatus=Released, Manufacturer Order Number=EMZL500ARA221MJA0G, Multible Parts=No, PackageReference=EMZL500ARA221MJA0G, Part Type=Capacitor, PLMStatus=Active, QuickPick="220uF / 50V / 20% / Aluminiumelectrolytic / EMZL500ARA221MJA0G", RoHS Compliant=Y, Second Source allowed=Yes, Style=Single, Supplier 1=Farnell, Supplier 2=DigiKey, Supplier 3=Mouser, Supplier Part Number 3=661-EMZL500ARA221MJA, Symbol Type="Capacitor; Single; Polarized; 2 Pins; Pin 1 Positive", Technology=Electrolytic, Tolerance Pos=20%, Type=Polarized, Version Number=V00